# Altium PCB PCB_HydroPore.PcbDoc (part 1 of 2) (continued)
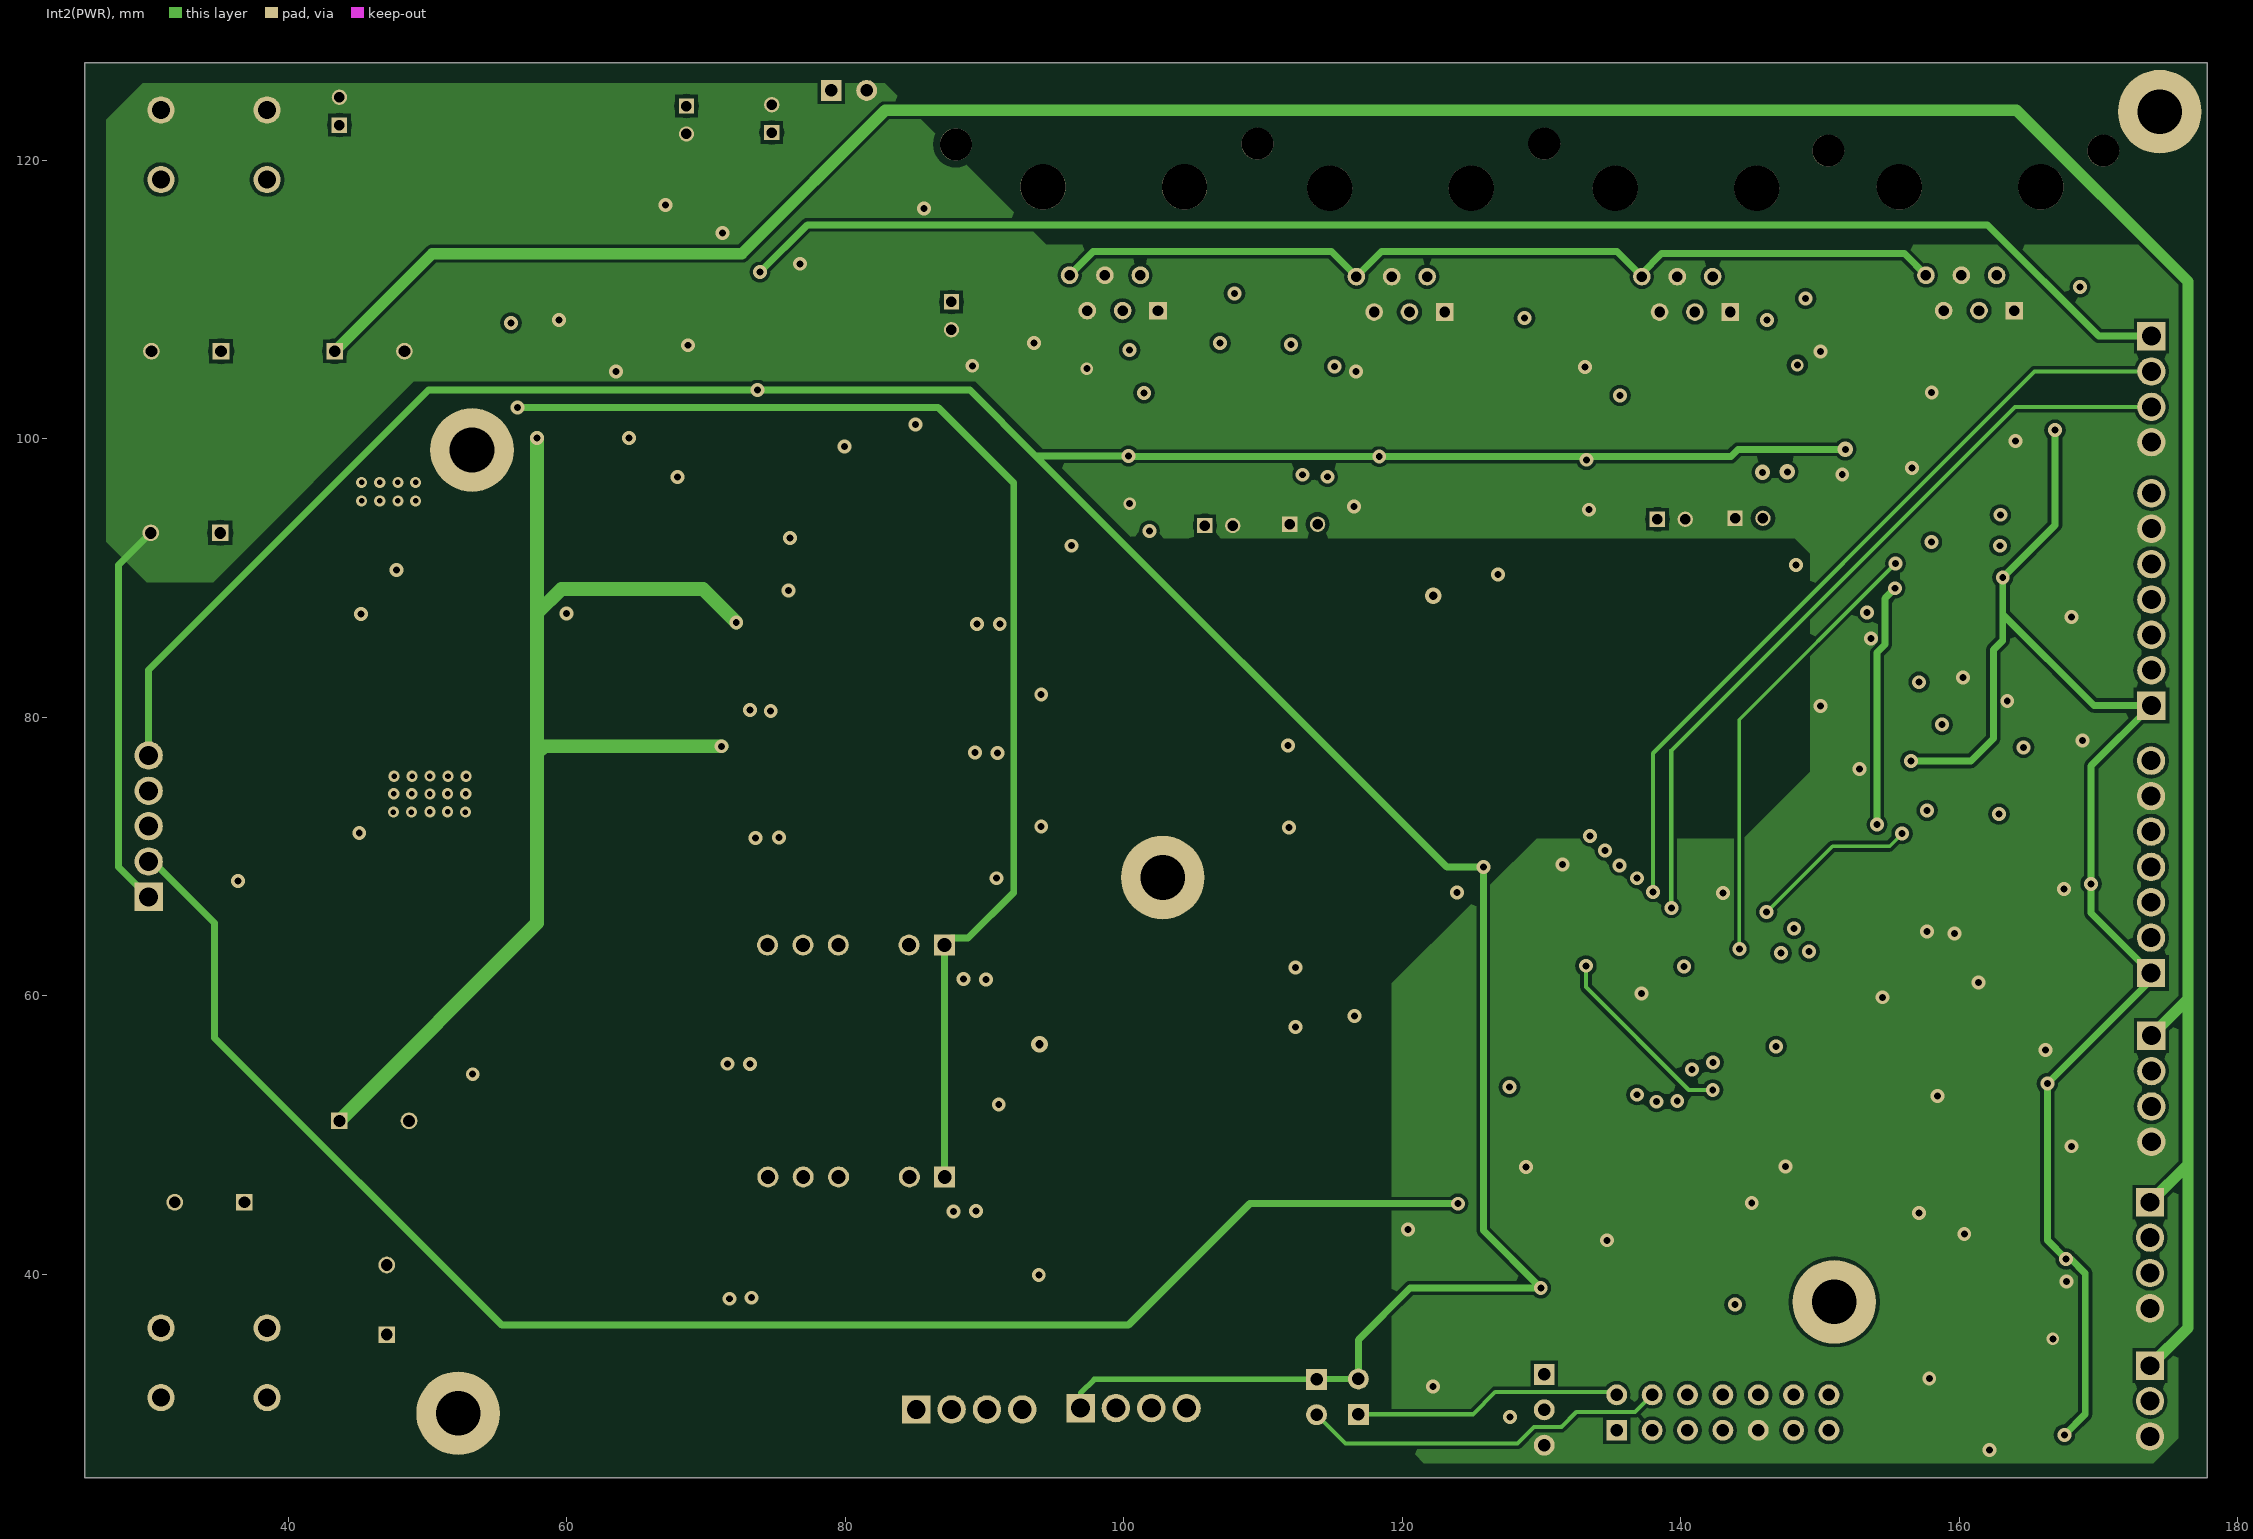
[diagram p3: Int2(PWR)]

## Layer stack, top to bottom
Top Solder: solder mask 0.0254, SM-001, Dk 4
Top Layer: signal copper 0.035
Dielectric 1: prepreg 0.25, PP-017, Dk 4.3
Dielectric 2: prepreg 0.25, PP-017, Dk 4.3
Int1 (GND): signal copper 0.035
Dielectric 3: core 1, Core-039, Dk 4.8
Int2(PWR): signal copper 0.035
Dielectric 4: prepreg 0.25, PP-017, Dk 4.3
Dielectric 5: prepreg 0.25, PP-017, Dk 4.3
Bottom Layer: signal copper 0.035
Bottom Solder: solder mask 0.0254, SM-001, Dk 4

## Board outline
25.4,25.4 177.8,25.4 177.8,127 25.4,127

## Design rules (kind name [scope] priority, off if disabled: settings)
Clearance [All] p1: gap=0.254 ignorepadtopadclearanceinfootprint=TRUE except(0.127: SMDPad-SMDPad; 0.2: Arc-Arc Arc-Track Arc-SMDPad Track-Track Track-SMDPad; 0.33: Arc-THPad Track-THPad SMDPad-THPad THPad-THPad; 0.5: Arc-Hole Track-Hole SMDPad-Hole THPad-Hole Via-Hole Fill-Hole Poly-Hole Region-Hole Text-Hole)
ComponentClearance [All] p1: gap=0.15 collisioncheckmode=3 verticalgap=0.15 showdistances=FALSE
PolygonConnect PolygonConnect_1 [All] p1: connectstyle=Direct reliefconductorwidth=0.5 reliefentries=4 polygonreliefangle="90 Angle" airgapwidth=0.254
PolygonConnect [All] p2: connectstyle=Relief reliefconductorwidth=0.4 reliefentries=4 polygonreliefangle="90 Angle" airgapwidth=0.254
RoutingVias [All] p1: holewidth=0.5 width=0.8 viastyle="Through Hole" minholewidth=0.3 minwidth=0.6 maxholewidth=0.8 maxwidth=1.2
SolderMaskExpansion [All] p1: expansion=0.102
Width [All] p1: maxlimit=2 minlimit=0.15 preferedwidth=0.5 minimp=50.000000 maximp=50.000000 favimp=50.000000
29 further rules are at their usual default settings.

## Classes and differential pairs
component class Sensors: C42 C43 C86 C87 C88 C89 C90 C91 C92 C95 C96 C97 C98 C99 C100 C101 C102 C103 C104 C105 C108 C109 C110 C111 C114 C117 C126 IC1 IC2 IC5 P15 P16 P17 P18 P19 P21 R44 R54 R55 R56 R57 R58 R59 R60 R61 R62 R63 R64 R65 R66 R67 R68 R69 R70 R71 R78 R79 R83 R84 R85 R86 R87 U16 U17 U18 U19
component class Power: C26 C34 C35 C36 C37 C38 C39 C40 C41 C46 C47 C48 C49 C51 C52 C53 C54 C55 C56 C57 C58 C59 C60 C61 C62 C63 C64 C65 C66 C67 C68 C69 C70 C71 C72 C74 C75 C76 C77 C80 C81 C82 C83 C84 C85 C106 D9 FB1 FB2 FB3 FB4 FB6 IC3 J1 J2 P13 P14 Q1 Q2 Q3 Q4 R1 R24 R25 R28 R29 R32 R35 R36 R37 R38 R39 R40 R41 R42 R43 R45 R46 R47 R48 R49 R50 R51 R52 R77 U10 U11 U12 U13 U14 U21 VR1
component class MCU: C1 C2 C3 C4 C5 C6 C7 C8 C9 C10 C11 C12 C13 C14 C15 C16 C17 C18 C19 C20 C21 C22 C23 C24 C25 C27 C28 C29 C30 C31 C32 C33 C44 C45 C50 C73 C78 C79 C93 C94 D3 D4 D5 D6 D7 D8 D10 D11 J3 J4 J5 J6 P1 P2 P3 P4 P5 P6 R2 R3 R4 R5 R6 R7 R8 R9 R10 R11 R12 R13 R14 R15 R16 R17 R18 R19 R20 R21 R22 R23 R26 R27 R30 R31 R33 R34 R53 R72 R73 R74 R75 R76 R88 R89 R90 R91 S1 U1 U2 U3 U4 U5 U6 U7 U8 U9 U15 U20 Y1 Y2

## Components (designator, comment, footprint, x,y, rotation, side; value= is the part's Value field where it differs from the comment)
C1 "Cap" 1206 91.325,58.175 r90 top value=100nF
C2 "Cap" 1206 74.225,58.175 r270 top value=10uF
C3 "Cap" "0603 - duplicate"#1 109.6,61.375 r0 top value=1nF
C4 "Cap" "0603 - duplicate"#1 109.125,74.2 r0 top value=1nF
C5 "Cap" 1206 74.675,74.428 r270 top value=10uF
C6 "Cap" "0603 - duplicate"#1 127.975,36.15 r90 top value=2.2nF
C7 "Cap" 1206 71.825,58.175 r270 top value=100nF
C8 "Cap" 1206 89.275,74.428 r270 top value=100nF
C9 "Cap" "0603 - duplicate"#1 123.2,37.775 r0 top value=100nF
C10 "Cap" 1206 91.975,83.428 r90 top value=100nF
C11 "Cap" 1206 73.797,41.683 r270 top value=10uF
C12 "Cap" 1206 89.575,83.428 r90 top value=100nF
C13 "Cap" "0603 - duplicate"#1 109.55,57.5 r0 top value=1nF
C14 "Cap" 1206 74.722,83.528 r270 top value=10uF
C15 "Cap" 1206 88.925,58.175 r90 top value=10u
C16 "Cap" 1206 72.275,74.428 r270 top value=100nF
C17 "Cap" "0603 - duplicate"#1 102.975,104.35 r90 top value=1uF
C18 "Cap" "0603 - duplicate"#1 105.875,97.525 r0 top value=1uF
C19 "Cap" "0603 - duplicate"#1 116.65,97.8 r90 top value=100nF
C20 "Cap" "0603 - duplicate"#1 109.6,97.525 r0 top value=1uF
C21 "Cap" "0603 - duplicate"#1 136.75,45.15 r90 top value=22pF
C22 "Cap" "0603 - duplicate"#1 134.875,45.15 r90 top value=22pF
C23 "Cap" "0603 - duplicate"#1 98.875,97.925 r90 top value=100nF
C24 "Cap Pol2" ElectrolythicCap_2mm 106.825,93.775 r0 top value=1uF
C25 "Cap Pol2" ElectrolythicCap_2mm 112.925,93.875 r0 top value=1uF
C26 "Cap" "0603 - duplicate"#1 90.925,66.025 r270 top value=2.2uF
C27 "Cap" "0603 - duplicate"#1 135.977,105.496 r90 top value=1uF
C28 "Cap" "0603 - duplicate"#1 138.825,97.825 r180 top value=1uF
C29 "Cap" "0603 - duplicate"#1 131.475,97.625 r90 top value=100nF
C30 "Cap" "0603 - duplicate"#1 142.525,97.825 r0 top value=1uF
C31 "Cap Pol2" ElectrolythicCap_2mm 139.325,94.225 r0 top value=1uF
C32 "Cap Pol2" ElectrolythicCap_2mm 144.9,94.3 r0 top value=1uF
C33 "Cap" "0603 - duplicate"#1 149.925,98.3 r90 top value=100nF
C34 "Cap Pol2" ElectrolythicCap_5mm 46.175,51.025 r0 top value=330uF
C35 "Cap Pol2" ElectrolythicCap_5mm 34.35,45.175 r180 top value=300uF
C36 "Cap Pol2" ElectrolythicCap_5mm 47.075,38.175 r90 top value=330uF
C37 "Cap" "0603 - duplicate"#1 91.025,49.325 r270 top value=2.2uF
C38 "Cap Pol2" ElectrolythicCap_5mm 32.679,106.299 r180 top value=330uF
C39 "Cap Pol2" ElectrolythicCap_5mm 32.625,93.25 r180 top value=330uF
C40 "Cap Pol2" ElectrolythicCap_5mm 45.847,106.299 r0 top value=330uF
C41 "Cap" "0603 - duplicate"#1 69.075,47.95 r270 top value=10uF
C42 "Cap" "0603 - duplicate"#1 165.7,94.125 r180 top value=1uF
C43 "Cap" "0603 - duplicate"#1 165.225,72.85 r180 top value=1uF
C44 "Cap" "0603 - duplicate"#1 136.3,43.875 r90 bottom value=34pF
C45 "Cap" "0603 - duplicate"#1 138.2,43.875 r90 bottom value=34pF
C46 "Cap" "0603 - duplicate"#1 71.939,97.978 r0 top value=1uF
C47 "Cap" "0603 - duplicate"#1 89.539,96.878 r90 top value=100nF
C48 "Cap" "0603 - duplicate"#1 74.039,90.478 r90 top value=100nF
C49 "Cap" "0603 - duplicate"#1 77.536,99.459 r0 top value=100nF
C50 "Cap" 1206 91.675,74.428 r270 top value=10uF
C51 "Cap" "0603 - duplicate"#1 70.186,94.293 r270 top value=330pF
C52 "Cap" "0603 - duplicate"#1 68.281,94.293 r270 top value=330pF
C53 "Cap" "0603 - duplicate"#1 64.133,97.603 r90 top value=2.2uF
C54 "No montar" "0603 - duplicate"#1 65.925,97.625 r90 top
C55 "Cap" "0603 - duplicate"#1 61.45,100.075 r180 top value=1uF
C56 "Cap" "0603 - duplicate"#1 153.3,78.9 r0 top value=10uF
C57 "Cap" "0603 - duplicate"#2 151.5,81.7 r90 top value=10nF
C58 "Cap" "0603 - duplicate"#2 153.4,81.7 r90 top value=1uF
C59 "Cap" "0603 - duplicate"#1 61,109.4 r90 top value=0.1uF
C60 "No montar" "0603 - duplicate"#1 57.875,109.4 r90 top
C61 "Cap Pol2" ElectrolythicCap_2mm 87.63,108.839 r270 top value=10uF
C62 "Cap" "0603 - duplicate"#1 71.471,106.611 r0 top value=22uF
C63 "Cap" "0603 - duplicate"#1 71.471,104.706 r0 top value=1uF
C64 "Cap" "0603 - duplicate"#1 76.327,109.728 r270 top value=0.1uF
C65 "10uF" "0603 - duplicate"#1 68.882,109.452 r90 top
C66 "No montar" "0603 - duplicate"#1 70.787,109.452 r90 top
C67 "Cap Pol2" ElectrolythicCap_2mm 43.675,123.533 r90 top value=10uF
C68 "Cap Pol2" ElectrolythicCap_2mm 74.725,123 r90 top value=10uF
C69 "Cap" "0603 - duplicate"#1 45.775,117.85 r270 top value=1uF
C70 "Cap" "0603 - duplicate"#1 65.913,118.872 r0 top value=2.2uF
C71 "0.01uF" "0603 - duplicate"#1 66.977,105.722 r90 top value="No montar"
C72 "No montar" ElectrolythicCap_2mm 68.6,122.9 r270 top value=1uF
C73 "Cap" 1206 71.397,41.683 r270 top value=100nF
C74 "Cap" "0603 - duplicate"#1 68,114.5 r180 top value=1uF
C75 "Cap" "0603 - duplicate"#1 65.024,116.078 r270 top value=100nF
C76 "Cap" "0603 - duplicate"#1 69.007,117.856 r90 top value=1uF
C77 "Cap" "0603 - duplicate"#1 71.266,117.856 r90 top value=100nF
C78 "Cap" 1206 90.849,41.483 r270 top value=10uF
C79 "Cap" 1206 88.441,41.483 r270 top value=100nF
C80 "Cap" "0603 - duplicate"#1 125.825,71.9 r270 top value=10uF
C81 "Cap" "0603 - duplicate"#1 146.375,51.075 r180 top value=10uF
C82 "Cap" "0603 - duplicate"#1 146.375,49.3 r180 top value=100nF
C83 "Cap" "0603 - duplicate"#1 131.25,66.175 r270 top value=100nF
C84 "Cap" "0603 - duplicate"#1 131.4,47.675 r0 top value=10nF
C85 "Cap" "0603 - duplicate"#1 126.75,49.425 r0 top value=1uF
C86 "Cap" "0603 - duplicate"#1 165.6,88.425 r0 top value=100nF
C87 "Cap" "0603 - duplicate"#1 163.525,49.1 r180 top value=1nF
C88 "Cap" "0603 - duplicate"#1 165.7,96.025 r180 top value=0.1uF
C89 "Cap" "0603 - duplicate"#1 158.775,84.825 r90 top value=0.1uF
C90 "Cap" "0603 - duplicate"#1 161.85,84.75 r90 top value=39nF
C91 "Cap" "0603 - duplicate"#1 166.35,50.975 r270 top value=100nF
C92 "Cap" "0603 - duplicate"#1 166,81.075 r0 top value=100nF
C93 "Cap" 1206 72.322,83.528 r270 top value=100nF
C94 "Cap" "0603 - duplicate"#1 109.175,77.975 r0 top value=1nF
C95 "Cap" "0603 - duplicate"#2 159.65,96.5 r0 top value=4.7uF
C96 "Cap" "0603 - duplicate"#1 159.75,94.6 r0 top value=0.1uF
C97 "Cap" "0603 - duplicate"#1 160.95,81.05 r180 top value=680pF
C98 "Cap" "0603 - duplicate"#1 156.525,50.075 r270 top value=1nF
C99 "Cap" "0603 - duplicate"#1 165.017,68.223 r0 top value=100nF
C100 "Cap" "0603 - duplicate"#1 163.4,39.1 r180 top value=1nF
C101 "Cap" "0603 - duplicate"#1 165.225,74.75 r180 top value=0.1uF
C102 "Cap" "0603 - duplicate"#1 158.45,66.35 r0 top value=0.1uF
C103 "Cap" "0603 - duplicate"#1 161.275,65.45 r90 top value=39nF
C104 "Cap" "0603 - duplicate"#1 166.1,40.675 r270 top value=100nF
C105 "Cap" "0603 - duplicate"#1 165.097,62.051 r0 top value=100nF
C106 "Cap" "0603 - duplicate"#1 68.9,65.875 r270 top value=10uF
C108 "Cap" "0603 - duplicate"#1 161,77.8 r0 top value=4.7uF
C109 "Cap" "0603 - duplicate"#1 161,75.768 r0 top value=0.1uF
C110 "Cap" "0603 - duplicate"#1 161.4,62.6 r0 top value=680pF
C111 "Cap" "0603 - duplicate"#1 155.375,42.775 r270 top value=1nF
C114 "Cap" "0603 - duplicate"#1 162.6,36.05 r180 top value=1nF
C117 "Cap" "0603 - duplicate"#1 164.775,28.225 r180 top value=100nF
C126 "Cap" "0603 - duplicate"#1 156.15,33.375 r90 top value=1nF
D3 "LED" "LED 1206" 109.6,116.1 r90 top
D4 "LED" "LED 1206" 130.2,116.1 r90 top
D5 "Diode" do-214ac 64.85,72.503 r0 top
D6 "Diode" do-214ac 64.425,56.725 r0 top
D7 "Diode" do-214ac 63.75,39.5 r0 top
D8 "Diode" do-214ac 64.75,81.453 r0 top
D9 "LED" "LED 1206" 87.95,116 r270 top
D10 "LED" "LED 1206" 150.7,116.1 r90 top
D11 "LED" "LED 1206" 170.35,116.1 r90 top
FB1 "1k" "0603 - duplicate"#1 155.3,81.8 r90 top value=100M
FB2 "1k" "0603 - duplicate"#1 72.692,109.405 r270 top value=100M
FB3 "120R" "0603 - duplicate"#1 73.552,117.856 r270 top value=100M
FB4 "1k" "0603 - duplicate"#1 123.95,70.2 r270 top value=100M
FB6 "120R" "0603 - duplicate"#1 127.725,70.125 r270 top value=100M
IC1 "TLV271SN1T1G" SOT23-5_N 163.3,53.9 r180 top
IC2 "TLV271SN1T1G" SOT23-5_N 163.4,43.8 r180 top
IC3 "MCP6546RT-E/OT" SOT23-5_N 73.039,94.378 r270 top
IC5 "TLV271SN1T1G" SOT23-5_N 163.3,31.2 r180 top
J1 "691401710002B" 691401710002B 34.675,33.65 r270 top
J2 "691401710002B" 691401710002B 34.671,121.118 r270 top
J3 "RJ11-6N-B" TE_RJ11-6N-B 102.46,109.21 r270 top
J4 "RJ11-6N-B" TE_RJ11-6N-B 123.06,109.11 r270 top
J5 "RJ11-6N-B" TE_RJ11-6N-B 143.56,109.11 r270 top
J6 "RJ11-6N-B" TE_RJ11-6N-B 163.96,109.21 r270 top
P1 "Header 4" regleta_4 96.9,30.4 r0 top
P2 "Connect if power from the debugger" HDR1X2 116.85,29.95 r90 top
P3 "Header 7X2" HDR2X7 135.405,28.81 r0 top
P4 "Connect if local power" HDR1X2 113.85,32.465 r270 top
P5 "Header 4" regleta_4 85.1,30.3 r0 top
P6 "Header 3" HDR1X3 130.2,32.815 r270 top
P13 "Header 5" regleta_5 29.975,67.11 r90 top
P14 "Header 2" HDR1X2 79,125.025 r0 top
P15 "Header 7" regleta_7 173.8,80.85 r90 top
P16 "Header 4" regleta_4 173.8,57.14 r270 top
P17 "Header 7" regleta_7 173.775,61.645 r90 top
P18 "Header 4" regleta_4 173.7,45.18 r270 top
P19 "Header 4" regleta_4 173.8,107.38 r270 top
P21 "Header 3" regleta_3 173.7,33.44 r270 top
Q1 "IRFR1205TRPBF" Infineon_PG-TO252-3_MFG#1 49.625,66.05 r180 top
Q2 "IRFR1205TRPBF" Infineon_PG-TO252-3_MFG#1 41.075,66.063 r180 top
Q3 "IRFR1205TRPBF" Infineon_PG-TO252-3_MFG#1 49.625,82.388 r180 top
Q4 "IRFR1205TRPBF" Infineon_PG-TO252-3_MFG#2 41.075,82.363 r180 top
R1 "100" 1206 70.95,48.15 r270 top
R2 "Res2" "0603 - duplicate"#1 109.6,63.3 r0 top value=47ohm
R3 "Res2" "0603 - duplicate"#1 109.125,76.075 r0 top value=47ohm
R4 "Res2" "0603 - duplicate"#1 129.95,36.175 r90 top value=47K
R5 "Res2" "0603 - duplicate"#1 136.675,35.225 r90 top value=10
R6 "Res2" "0603 - duplicate"#1 139.2,35.275 r90 top value=10
R7 "Res2" "0603 - duplicate"#1 141.7,35.275 r90 top value=10
R8 "Res2" "0603 - duplicate"#1 124.975,39.575 r0 top value=10K
R9 "Res2" "0603 - duplicate"#1 146.275,35.25 r90 top value=10
R10 "Res2" "0603 - duplicate"#1 143.95,35.25 r270 top value=10
R11 "Res2" "0603 - duplicate"#1 95,104.375 r90 bottom value=0R
R12 "Res2" "0603 - duplicate"#1 134.05,35.275 r90 top value=10
R13 "Res2" "0603 - duplicate"#1 121.825,102.45 r90 bottom value=0R
R14 "Res2" "0603 - duplicate"#1 109.55,59.4 r0 top value=47ohm
R15 "Res2" "0603 - duplicate"#1 109.175,79.925 r0 top value=47ohm
R16 "Res2" "0603 - duplicate"#1 128.85,102.85 r90 bottom value=0R
R17 "Res2" "0603 - duplicate"#1 160.05,102.55 r90 bottom value=0R
R18 "Res2" "0603 - duplicate"#2 101.85,98 r270 top value=1K
R19 "Res2" "0603 - duplicate"#1 120.075,98.875 r90 top value=1K
R20 "Res2" "0603 - duplicate"#1 154.4,99.4 r0 top value=1K
R21 "Res2" "0603 - duplicate"#1 135,97.625 r270 top value=1K
R22 "Res2" "0603 - duplicate"#1 65.025,75.575 r180 top value=47
R23 "Res2" 1206 69.775,74.428 r270 top value=10
R24 "Res2" "0603 - duplicate"#1 49.625,70.9 r270 top value=1K
R25 "Res2" "0603 - duplicate"#1 41.2,70.975 r90 top value=1K
R26 "Res2" "0603 - duplicate"#1 64.425,59.55 r180 top value=47
R27 "Res2" 1206 69.425,58.15 r270 top value=10
R28 "Res2" "0603 - duplicate"#1 49.675,87.275 r90 top value=1K
R29 "Res2" "0603 - duplicate"#2 41.075,87.2 r90 top value=1K
R30 "Res2" "0603 - duplicate"#1 63.9,43.125 r180 top value=47
R31 "Res2" 1206 68.763,41.7 r270 top value=10
R32 "Res2" 1206 43.4,92.4 r270 top value=0.1ohm
R33 "Res2" "0603 - duplicate"#1 64.725,84.978 r180 top value=47
R34 "Res2" 1206 69.875,83.528 r270 top value=10
R35 "Res2" "0603 - duplicate"#1 76.825,90.775 r180 top value=1.9k
R36 "Res2" "0603 - duplicate"#1 69.239,91.478 r180 top value=2k00
R37 "Res2" "0603 - duplicate"#1 74.739,98.278 r90 top value=10k
R38 "Res2" "0603 - duplicate"#1 72.139,90.478 r270 top value=2k00
R39 "Res2" "0603 - duplicate"#1 89.483,93.155 r90 top value=515ohm
R40 "Res2" "0603 - duplicate"#1 66.475,93.15 r270 top value=2k00
R41 "Res2" 1206 64.2,92.6 r270 top value=1R0
R42 "Res2" "0603 - duplicate"#1 91.439,93.178 r90 top value=1k
R43 "1k" "0603 - duplicate"#1 58.05,97.475 r90 top
R44 "Res2" "0603 - duplicate"#2 163.65,56.8 r0 top value=715R
R45 "10k" "0603 - duplicate"#1 59.7,106.5 r180 top
R46 "No montar" "0603 - duplicate"#1 66.977,109.405 r90 top value=18k7
R47 "1k" "0603 - duplicate"#1 82.423,106.934 r180 top
R48 "No montar" "0603 - duplicate"#1 64.9,124 r270 top
R49 "No montar" "0603 - duplicate"#1 64.2,106.7 r0 top value=10K7
R50 "Cortocircuitar" "0603 - duplicate"#1 50.025,125.5 r0 top
R51 "Res2" "0603 - duplicate"#1 80.517,122.301 r180 top value=1K
R52 "Res2" "0603 - duplicate"#1 130.35,49.45 r0 top value=0R1
R53 "Res2" "0603 - duplicate"#1 127.75,32.2 r270 top value=10
R54 "Res2" "0603 - duplicate"#2 165.6,90.325 r0 top value=100K
R55 "Res2" "0603 - duplicate"#1 165.7,92.225 r0 top value=100K
R56 "Res2" "0603 - duplicate"#1 168.225,52.1 r270 top value=715R
R57 "Res2" "0603 - duplicate"#1 163.525,51 r180 top value=470R
R58 "10k" "0603 - duplicate"#1 157.2,90.05 r270 top
R59 "Res2" "0603 - duplicate"#1 159.5,49.125 r0 top value=47ohm
R60 "Res2" "0603 - duplicate"#1 160.325,51.975 r270 top value=10K
R61 "No montar" "0603 - duplicate"#1 155.8,95.375 r90 top value=0R
R62 "Res2" "0603 - duplicate"#1 165,70.025 r0 top value=100K
R63 "Res2" "0603 - duplicate"#1 167.675,70.175 r90 top value=100K
R64 "Res2" "0603 - duplicate"#1 168.225,55.8 r90 top value=470
R65 "Res2" "0603 - duplicate"#1 163.425,41 r180 top value=470R
R66 "10k" "0603 - duplicate"#1 157.65,70.95 r270 top
R67 "Res2" "0603 - duplicate"#2 159.6,39.1 r0 top value=47ohm
R68 "Res2" "0603 - duplicate"#1 158.175,41.9 r270 top value=10K
R69 "No montar" "0603 - duplicate"#1 158.05,76.65 r270 top value=0R
R70 "Res2" "0603 - duplicate"#1 160.325,31.275 r270 top value=715
R71 "Res2" "0603 - duplicate"#1 162.65,34.175 r180 top value=470
R72 "Res2" "0603 - duplicate"#1 131.825,36.225 r90 top value=10
R73 "Res2" "0603 - duplicate"#1 109.6,106.725 r180 bottom value=0R
R74 "Res2" "0603 - duplicate"#1 145.075,106.875 r180 bottom value=0R
R75 "Res2" "0603 - duplicate"#1 154.575,106.225 r0 bottom value=0R
R76 "Res2" "0603 - duplicate"#1 116.85,106.825 r0 bottom value=0R
R77 "100" 1206 70.925,66.175 r270 top
R78 "Res2" "0603 - duplicate"#1 156.975,36.15 r0 top value=47ohm
R79 "Res2" "0603 - duplicate"#1 159.775,35.3 r90 top value=10K
R83 "Res2" "0603 - duplicate"#1 167.3,45.9 r0 top value=715
R84 "Res2" "0603 - duplicate"#1 167.95,44 r0 top value=715
R85 "Res2" "0603 - duplicate"#1 169.2,41.225 r270 top value=470R
R86 "Res2" "0603 - duplicate"#3 167.9,30.075 r0 top value=715
R87 "Res2" "0603 - duplicate"#1 166.45,32.9 r90 top value=470
R88 "Res2" "0603 - duplicate"#1 109.5,111.3 r90 top value=1K
R89 "Res2" "0603 - duplicate"#1 130.2,111.2 r90 top value=1K
R90 "Res2" "0603 - duplicate"#1 150.7,111.2 r90 top value=1K
R91 "Res2" "0603 - duplicate"#1 170.275,111.8 r90 top value=1K
S1 "430182070816" 430182070816 123.225,31.65 r270 top
U1 "NCD57090ADWR2G" soic8_w 81.58,60.75 r180 top
U2 "NCD57090ADWR2G" soic8_w 82.075,76.928 r180 top
U3 "MSP430FR6043IPN" *QFP50P1400X1400X160-80N 137.525,57.375 r90 top
U4 "TS5A3157DBVR" SOT95P280X145-6N 116.25,101.9 r270 top
U5 "MAX232IDR" SOIC127P600X175-16N 108.905,102.091 r90 top
U6 "TS5A3157DBVR" SOT95P280X145-6N 99.15,102.125 r270 top
U7 "MAX232IDR" SOIC127P600X175-16N 142.1,102.4 r90 top
U8 "TS5A3157DBVR" SOT95P280X145-6N 149.4,102.425 r270 top
U9 "TS5A3157DBVR" SOT95P280X145-6N 133.1,101.875 r270 top
U10 "MEA1D1509SC" CONV_MEA1D1509SC 82.07,49.625 r180 top
U11 "ADUM210N1BRIZ" SOIC127P1031X265-8N 82.739,94.778 r0 top
U12 "LD2981ABM50TR" SOT23-5_N 60.929,97.412 r0 top
U13 "REG113NA-3.3/250" SOT23-5_N 63.899,109.344 r0 top
U14 "LF50ABPT-TR" DPAK114P990X239-6N 81.153,113.949 r0 top
U15 "NCD57090ADWR2G" soic8_w 81.113,44.2 r180 top
U16 "AD8293G160ARJZ-R7" SOT65P280X145-8N 164.4,84.7 r270 top
U17 "AD8293G160ARJZ-R7" SOT65P280X145-8N 165.021,65.252 r270 top
U18 "MAX11101EUBT" SOP50P490X110-10N 160.35,71.025 r90 top
U19 "MAX11101EUBT" SOP50P490X110-10N 160.2,90.3 r90 top
U20 "NCD57090ADWR2G" soic8_w 82.122,86.128 r180 top
U21 "MEA1D1509SC" CONV_MEA1D1509SC 82.05,66.275 r180 top
VR1 "NCP1117DT50G" D2PAK_N 55.314,118.999 r0 top
Y1 "CRYSTAL" XTAL320X150X90 135.86,48.01 r180 top
Y2 "CRYSTAL" XTAL_ABM7-16.000MHZ-D2Y-T 137.25,47.6 r180 bottom
